# Altium PCB KlusterLab r2.0.PcbDoc (part 1 of 22) (continued)
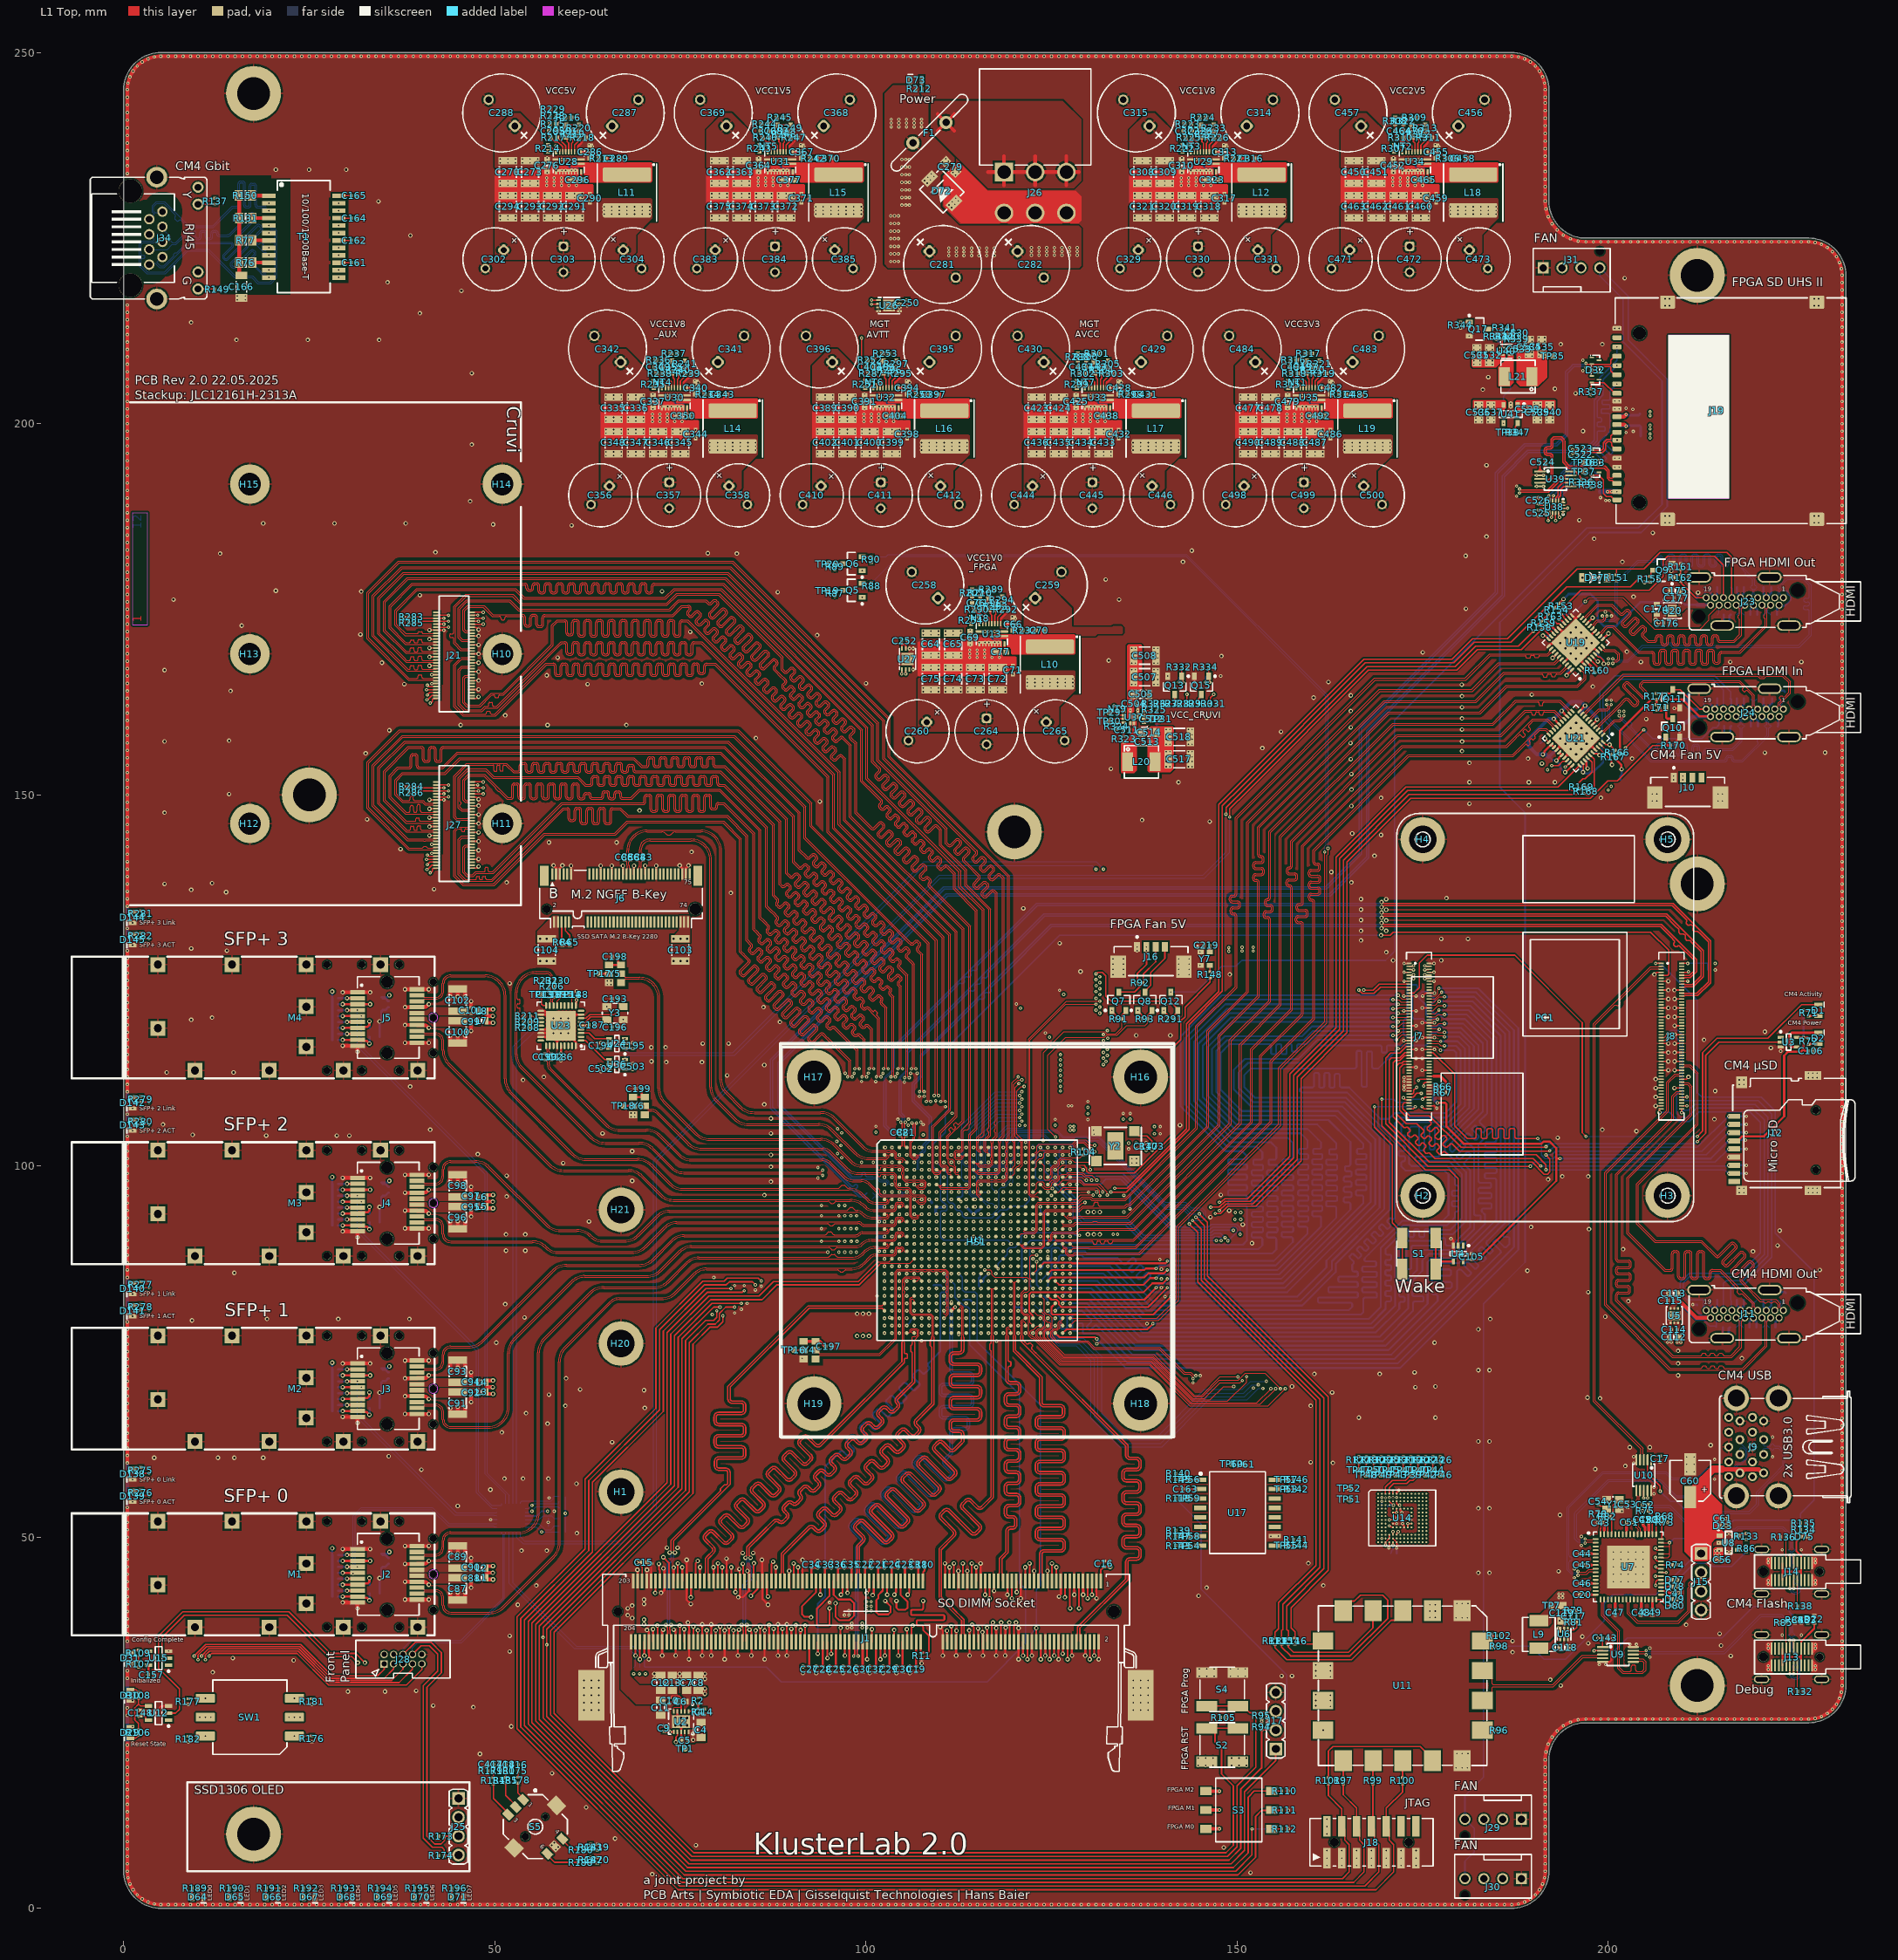
[diagram p0: L1 Top view]
## Classes and differential pairs
pad class GBE-CON-PADS: J34-MT J34-SHD
net class CM4_GBE_ISO: GBE1_MDI0_C_N GBE1_MDI0_C_P GBE1_MDI1_C_N GBE1_MDI1_C_P GBE1_MDI2_C_N GBE1_MDI2_C_P GBE1_MDI3_C_N GBE1_MDI3_C_P NetC166_1 NetR76_1 NetR77_1 NetR131_1 NetR150_1
net class SD_UHS-II: SDCARD.PERX_N SDCARD.PERX_P SDCARD.PETX_N SDCARD.PETX_P SDCARD_PERX_N SDCARD_PERX_P SDCARD_PETX_N SDCARD_PETX_P
component class U_USB-HUB-MUX: C17 C20 C41 C42 C43 C44 C45 C46 C47 C48 C49 C50 C51 C52 C53 C54 C117 C118 C119 C143 D77 D78 D79 D80 L9 R68 R73 R74 R75 R78 R79 R80 R81 R82 TP7 TP23 TP24 TP25 TP26 TP27 TP28 U6 U7 U9 U10 Y1
component class U_PSU_VCC_CRUVI_ADJ_Buck: C504 C505 C506 C507 C508 C509 C510 C511 C512 C513 C514 C515 C516 C517 C518 C519 L20 Q13 Q14 Q15 Q16 R323 R324 R325 R326 R327 R328 R329 R330 R331 R332 R333 R334 R335 TP29 TP30 TP31 U37
component class U_PSU_VCC5V_Buck: C267 C268 C270 C273 C276 C278 C280 C286 C287 C288 C289 C290 C291 C292 C293 C294 C295 C296 C297 C298 C299 C300 C301 C302 C303 C304 L11 R213 R214 R215 R216 R217 R218 R219 R220 U28
component class U_PSU_VCC3V3_Buck: C475 C476 C477 C478 C479 C480 C481 C482 C483 C484 C485 C486 C487 C488 C489 C490 C491 C492 C493 C494 C495 C496 C497 C498 C499 C500 L19 R314 R315 R316 R317 R318 R319 R320 R321 U35
component class U_PSU_VCC2V5_Buck: C448 C449 C450 C451 C452 C453 C454 C455 C456 C457 C458 C459 C460 C461 C462 C463 C464 C465 C466 C467 C468 C469 C470 C471 C472 C473 L18 R306 R307 R308 R309 R310 R311 R312 R313 R322 U34
component class U_PSU_VCC1V8AUX_Buck: C333 C334 C335 C336 C337 C338 C339 C340 C341 C342 C343 C344 C345 C346 C347 C348 C349 C350 C351 C352 C353 C354 C355 C356 C357 C358 L14 R234 R235 R236 R237 R238 R239 R240 R241 U30
component class U_PSU_VCC1V8_Buck: C306 C307 C308 C309 C310 C311 C312 C313 C314 C315 C316 C317 C318 C319 C320 C321 C322 C323 C324 C325 C326 C327 C328 C329 C330 C331 L12 R221 R222 R223 R224 R225 R226 R227 R233 U29
component class U_PSU_VCC1V5_Buck: C360 C361 C362 C363 C364 C365 C366 C367 C368 C369 C370 C371 C372 C373 C374 C375 C376 C377 C378 C379 C380 C381 C382 C383 C384 C385 L15 R242 R243 R244 R245 R246 R247 R248 R249 U31
component class U_PSU_MGTAVTT_Buck: C387 C388 C389 C390 C391 C392 C393 C394 C395 C396 C397 C398 C399 C400 C401 C402 C403 C404 C405 C406 C407 C408 C409 C410 C411 C412 L16 R250 R251 R252 R253 R287 R295 R296 R297 U32
component class U_PSU_MGTAVCC_Buck: C414 C415 C423 C424 C425 C426 C427 C428 C429 C430 C431 C432 C433 C434 C435 C436 C437 C438 C439 C440 C441 C442 C443 C444 C445 C446 L17 R288 R298 R299 R300 R301 R302 R303 R304 R305 U33
component class U_Memory-SD_UHS_II: C524 C525 C526 C527 C528 C529 C530 C531 C532 C533 C534 C535 C536 C537 C538 C539 C540 D32 D33 D34 D82 D83 J19 L21 Q17 R336 R337 R338 R339 R340 R341 R342 R343 R344 R345 R346 R347 R348 TP32 TP33 TP34 TP35 TP36 TP37 TP38 U38 U39 U40 U41
net class µUSB_Flash: USB_CM4Flash_N USB_CM4Flash_P
net class CM4_USB_US: CM4_USB_US_N CM4_USB_US_P
net class CM4_USB_Host: CM4_USB_N CM4_USB_P
net class DDR3_CLK: DDR3_CLK0_N DDR3_CLK0_P DDR3_CLK1_N DDR3_CLK1_P
net class Spare_Pins: CRUVI_A_0_N CRUVI_A_0_P CRUVI_A_1_N CRUVI_A_1_P CRUVI_A_2_N CRUVI_A_2_P CRUVI_A_3_N CRUVI_A_3_P CRUVI_A_4_N CRUVI_A_4_P CRUVI_A_5_N CRUVI_A_5_P CRUVI_A_6_N CRUVI_A_6_P CRUVI_A_7_N CRUVI_A_7_P CRUVI_A_8_N CRUVI_A_8_P CRUVI_A_9_N CRUVI_A_9_P CRUVI_A_10_N CRUVI_A_10_P CRUVI_A_11_N CRUVI_A_11_P CRUVI_A_DI CRUVI_A_DO CRUVI_A_HSI CRUVI_A_HSIO CRUVI_A_HSO CRUVI_A_MODE CRUVI_A_REFCLK CRUVI_A_RESET CRUVI_A_SCK CRUVI_A_SEL CRUVI_A_SMB_ALERT CRUVI_A_SMB_SCL CRUVI_A_SMB_SDA CRUVI_B_0_N CRUVI_B_0_P CRUVI_B_1_N CRUVI_B_1_P CRUVI_B_2_N CRUVI_B_2_P CRUVI_B_3_N CRUVI_B_3_P CRUVI_B_4_N CRUVI_B_4_P CRUVI_B_5_N CRUVI_B_5_P CRUVI_B_6_N CRUVI_B_6_P CRUVI_B_7_N CRUVI_B_7_P CRUVI_B_8_N CRUVI_B_8_P CRUVI_B_9_N CRUVI_B_9_P CRUVI_B_10_N CRUVI_B_10_P CRUVI_B_11_N CRUVI_B_11_P CRUVI_B_DI CRUVI_B_DO CRUVI_B_HSI CRUVI_B_HSIO CRUVI_B_HSO CRUVI_B_MODE CRUVI_B_REFCLK CRUVI_B_RESET CRUVI_B_SCK CRUVI_B_SEL CRUVI_B_SMB_ALERT CRUVI_B_SMB_SCL CRUVI_B_SMB_SDA
component class "U_Cruvi Pinheader": H6 H7 H8 H9 H10 H11 H12 H13 H14 H15 H16 H17 H18 H19 H22 H23 H24 HS1 J21 J27
net class µUSB_US: uUSB_N uUSB_P
net class USB_DS4: DS4_D_N DS4_D_P NetU7_31 NetU7_32
net class USB_DS3: DS3_D_N DS3_D_P NetU7_25 NetU7_26
net class USB_DS2: DS2_D_N DS2_D_P NetU7_12 NetU7_13
net class USB_DS1: DS1_D_N DS1_D_P NetU7_3 NetU7_4
net class SATA: SATA_RX_C_N SATA_RX_C_P SATA_RX_N SATA_RX_P SATA_TX_C_N SATA_TX_C_P SATA_TX_N SATA_TX_P
net class Pi_HDMI: HDMI_CM4_CEC HDMI_CM4_CLOCK_N HDMI_CM4_CLOCK_P HDMI_CM4_DATA0_N HDMI_CM4_DATA0_P HDMI_CM4_DATA1_N HDMI_CM4_DATA1_P HDMI_CM4_DATA2_N HDMI_CM4_DATA2_P HDMI_CM4_HPD HDMI_CM4_SCL HDMI_CM4_SDA
net class PCIe: PCIe_C_TX0_N PCIe_C_TX0_P PCIe_REFCLK_N PCIe_REFCLK_P PCIe_RX0_N PCIe_RX0_P PCIe_TX0_N PCIe_TX0_P
net class NOR-Flash: FLASH.C\S\ FLASH.CLK FLASH.D0 FLASH.D1 FLASH.D2 FLASH.D3 FLASH.R\S\T\ FLASH_C\S\ FLASH_CLK FLASH_D0 FLASH_D1 FLASH_D2 FLASH_D3
net class MGT115_SFP+: MGTX115_RX0_N MGTX115_RX0_P MGTX115_RX1_N MGTX115_RX1_P MGTX115_RX2_N MGTX115_RX2_P MGTX115_RX3_N MGTX115_RX3_P MGTX115_TX0_N MGTX115_TX0_P MGTX115_TX1_N MGTX115_TX1_P MGTX115_TX2_N MGTX115_TX2_P MGTX115_TX3_N MGTX115_TX3_P
net class JTAG_USB: JTAG_USB_D_N JTAG_USB_D_P
net class HDMI_FPGA_TX: HDMI_FPGA_C_TX0_N HDMI_FPGA_C_TX0_P HDMI_FPGA_C_TX1_N HDMI_FPGA_C_TX1_P HDMI_FPGA_C_TX2_N HDMI_FPGA_C_TX2_P HDMI_FPGA_C_TXC_N HDMI_FPGA_C_TXC_P HDMI_FPGA_C_TXSCL HDMI_FPGA_C_TXSDA HDMI_FPGA_LS_TXHPD HDMI_FPGA_TXCEC
net class HDMI_FPGA_RX: HDMI_FPGA_C_RX0_N HDMI_FPGA_C_RX0_P HDMI_FPGA_C_RX1_N HDMI_FPGA_C_RX1_P HDMI_FPGA_C_RX2_N HDMI_FPGA_C_RX2_P HDMI_FPGA_C_RXC_N HDMI_FPGA_C_RXC_P HDMI_FPGA_C_RXCEC HDMI_FPGA_C_RXHPD HDMI_FPGA_C_RXSCL HDMI_FPGA_C_RXSDA
net class FPGA_HDMI_TX: HDMI_FPGA_TX0_N HDMI_FPGA_TX0_P HDMI_FPGA_TX1_N HDMI_FPGA_TX1_P HDMI_FPGA_TX2_N HDMI_FPGA_TX2_P HDMI_FPGA_TXC_N HDMI_FPGA_TXC_P HDMI_FPGA_TXCEC HDMI_FPGA_TXHPD HDMI_FPGA_TXSCL HDMI_FPGA_TXSDA
net class FPGA_HDMI_RX: HDMI_FPGA_RX0_N HDMI_FPGA_RX0_P HDMI_FPGA_RX1_N HDMI_FPGA_RX1_P HDMI_FPGA_RX2_N HDMI_FPGA_RX2_P HDMI_FPGA_RXC_N HDMI_FPGA_RXC_P HDMI_FPGA_RXCEC HDMI_FPGA_RXHPD HDMI_FPGA_RXSCL HDMI_FPGA_RXSDA
net class eMMC: eMMC.CLK eMMC.CMD eMMC.D0 eMMC.D1 eMMC.D2 eMMC.D3 eMMC.D4 eMMC.D5 eMMC.D6 eMMC.D7 eMMC.DS eMMC.R\S\T\ eMMC_CLK eMMC_CMD eMMC_D0 eMMC_D1 eMMC_D2 eMMC_D3 eMMC_D4 eMMC_D5 eMMC_D6 eMMC_D7 eMMC_DS eMMC_R\S\T\
net class Diff100: 150MHz_REFCLK_N 150MHz_REFCLK_P 156.25MHz_REFCLK_N 156.25MHz_REFCLK_P 200MHz_SYSCLK_N 200MHz_SYSCLK_P CM4_GBE_MDI0_N CM4_GBE_MDI0_P CM4_GBE_MDI1_N CM4_GBE_MDI1_P CM4_GBE_MDI2_N CM4_GBE_MDI2_P CM4_GBE_MDI3_N CM4_GBE_MDI3_P CRUVI_A_0_N CRUVI_A_0_P CRUVI_A_1_N CRUVI_A_1_P CRUVI_A_2_N CRUVI_A_2_P CRUVI_A_3_N CRUVI_A_3_P CRUVI_A_4_N CRUVI_A_4_P CRUVI_A_5_N CRUVI_A_5_P CRUVI_A_6_N CRUVI_A_6_P CRUVI_A_7_N CRUVI_A_7_P CRUVI_A_8_N CRUVI_A_8_P CRUVI_A_9_N CRUVI_A_9_P CRUVI_A_10_N CRUVI_A_10_P CRUVI_A_11_N CRUVI_A_11_P CRUVI_B_0_N CRUVI_B_0_P CRUVI_B_1_N CRUVI_B_1_P CRUVI_B_2_N CRUVI_B_2_P CRUVI_B_3_N CRUVI_B_3_P CRUVI_B_4_N CRUVI_B_4_P CRUVI_B_5_N CRUVI_B_5_P CRUVI_B_6_N CRUVI_B_6_P CRUVI_B_7_N CRUVI_B_7_P CRUVI_B_8_N CRUVI_B_8_P CRUVI_B_9_N CRUVI_B_9_P CRUVI_B_10_N CRUVI_B_10_P CRUVI_B_11_N CRUVI_B_11_P GBE1_MDI0_C_N GBE1_MDI0_C_P GBE1_MDI1_C_N GBE1_MDI1_C_P GBE1_MDI2_C_N GBE1_MDI2_C_P GBE1_MDI3_C_N GBE1_MDI3_C_P HDMI_CM4_CLOCK_N HDMI_CM4_CLOCK_P HDMI_CM4_DATA0_N HDMI_CM4_DATA0_P HDMI_CM4_DATA1_N HDMI_CM4_DATA1_P HDMI_CM4_DATA2_N HDMI_CM4_DATA2_P HDMI_FPGA_C_RX0_N HDMI_FPGA_C_RX0_P HDMI_FPGA_C_RX1_N HDMI_FPGA_C_RX1_P HDMI_FPGA_C_RX2_N HDMI_FPGA_C_RX2_P HDMI_FPGA_C_RXC_N HDMI_FPGA_C_RXC_P HDMI_FPGA_C_TX0_N HDMI_FPGA_C_TX0_P HDMI_FPGA_C_TX1_N HDMI_FPGA_C_TX1_P HDMI_FPGA_C_TX2_N HDMI_FPGA_C_TX2_P HDMI_FPGA_C_TXC_N HDMI_FPGA_C_TXC_P HDMI_FPGA_RX0_N HDMI_FPGA_RX0_P HDMI_FPGA_RX1_N HDMI_FPGA_RX1_P HDMI_FPGA_RX2_N HDMI_FPGA_RX2_P HDMI_FPGA_RXC_N HDMI_FPGA_RXC_P HDMI_FPGA_TX0_N HDMI_FPGA_TX0_P HDMI_FPGA_TX1_N HDMI_FPGA_TX1_P HDMI_FPGA_TX2_N HDMI_FPGA_TX2_P HDMI_FPGA_TXC_N HDMI_FPGA_TXC_P MGTX115_RX0_N MGTX115_RX0_P MGTX115_RX1_N MGTX115_RX1_P MGTX115_RX2_N MGTX115_RX2_P MGTX115_RX3_N MGTX115_RX3_P MGTX115_TX0_N MGTX115_TX0_P MGTX115_TX1_N MGTX115_TX1_P MGTX115_TX2_N MGTX115_TX2_P MGTX115_TX3_N MGTX115_TX3_P REC_CLOCK_C_N REC_CLOCK_C_P REC_CLOCK_N REC_CLOCK_P SATA_RX_C_N SATA_RX_C_P SATA_RX_N SATA_RX_P SATA_TX_C_N SATA_TX_C_P SATA_TX_N SATA_TX_P SI5324_OUT_N SI5324_OUT_P SI5324_REFCLK_N SI5324_REFCLK_P
net class Diff90: CM4_USB_N CM4_USB_P CM4_USB_US_N CM4_USB_US_P DS1_D_N DS1_D_P DS2_D_N DS2_D_P DS3_D_N DS3_D_P DS4_D_N DS4_D_P JTAG_USB_D_N JTAG_USB_D_P USB_CM4Flash_N USB_CM4Flash_P uUSB_N uUSB_P
net class Diff85: DAT01/RCLK_N DAT01/RCLK_P PCIe_C_TX0_N PCIe_C_TX0_P PCIe_REFCLK_N PCIe_REFCLK_P PCIe_RX0_N PCIe_RX0_P PCIe_TX0_N PCIe_TX0_P SDCARD.PERX_N SDCARD.PERX_P SDCARD.PETX_N SDCARD.PETX_P SDCARD.RCLK_N SDCARD.RCLK_P SDCARD_PERX_N SDCARD_PERX_P SDCARD_PETX_N SDCARD_PETX_P
net class Diff80: DDR3_CLK0_N DDR3_CLK0_P DDR3_CLK1_N DDR3_CLK1_P DDR3_DQS0_N DDR3_DQS0_P DDR3_DQS1_N DDR3_DQS1_P DDR3_DQS2_N DDR3_DQS2_P DDR3_DQS3_N DDR3_DQS3_P DDR3_DQS4_N DDR3_DQS4_P DDR3_DQS5_N DDR3_DQS5_P DDR3_DQS6_N DDR3_DQS6_P DDR3_DQS7_N DDR3_DQS7_P
net class DDR3_LANE7: DDR3_D56 DDR3_D57 DDR3_D58 DDR3_D59 DDR3_D60 DDR3_D61 DDR3_D62 DDR3_D63 DDR3_DM7 DDR3_DQS7_N DDR3_DQS7_P
net class DDR3_LANE6: DDR3_D48 DDR3_D49 DDR3_D50 DDR3_D51 DDR3_D52 DDR3_D53 DDR3_D54 DDR3_D55 DDR3_DM6 DDR3_DQS6_N DDR3_DQS6_P
net class DDR3_LANE5: DDR3_D40 DDR3_D41 DDR3_D42 DDR3_D43 DDR3_D44 DDR3_D45 DDR3_D46 DDR3_D47 DDR3_DM5 DDR3_DQS5_N DDR3_DQS5_P
net class DDR3_LANE4: DDR3_D32 DDR3_D33 DDR3_D34 DDR3_D35 DDR3_D36 DDR3_D37 DDR3_D38 DDR3_D39 DDR3_DM4 DDR3_DQS4_N DDR3_DQS4_P
net class DDR3_LANE3: DDR3_D24 DDR3_D25 DDR3_D26 DDR3_D27 DDR3_D28 DDR3_D29 DDR3_D30 DDR3_D31 DDR3_DM3 DDR3_DQS3_N DDR3_DQS3_P
net class DDR3_LANE2: DDR3_D16 DDR3_D17 DDR3_D18 DDR3_D19 DDR3_D20 DDR3_D21 DDR3_D22 DDR3_D23 DDR3_DM2 DDR3_DQS2_N DDR3_DQS2_P
net class DDR3_LANE1: DDR3_D8 DDR3_D9 DDR3_D10 DDR3_D11 DDR3_D12 DDR3_D13 DDR3_D14 DDR3_D15 DDR3_DM1 DDR3_DQS1_N DDR3_DQS1_P
net class DDR3_LANE0: DDR3_D0 DDR3_D1 DDR3_D2 DDR3_D3 DDR3_D4 DDR3_D5 DDR3_D6 DDR3_D7 DDR3_DM0 DDR3_DQS0_N DDR3_DQS0_P
net class DDR3_DQS: DDR3_DQS0_N DDR3_DQS0_P DDR3_DQS1_N DDR3_DQS1_P DDR3_DQS2_N DDR3_DQS2_P DDR3_DQS3_N DDR3_DQS3_P DDR3_DQS4_N DDR3_DQS4_P DDR3_DQS5_N DDR3_DQS5_P DDR3_DQS6_N DDR3_DQS6_P DDR3_DQS7_N DDR3_DQS7_P
net class DDR3_ADDR_CMD: DDR3_A0 DDR3_A1 DDR3_A2 DDR3_A3 DDR3_A4 DDR3_A5 DDR3_A6 DDR3_A7 DDR3_A8 DDR3_A9 DDR3_A10 DDR3_A11 DDR3_A12 DDR3_A13 DDR3_A14 DDR3_A15 DDR3_BA0 DDR3_BA1 DDR3_BA2 DDR3_C\A\S\ DDR3_CKE0 DDR3_CKE1 DDR3_ODT0 DDR3_ODT1 DDR3_R\A\S\ DDR3_S\0\ DDR3_S\1\ DDR3_W\E\
net class CM4_µSD: CM4_µSD_CLK CM4_µSD_CMD CM4_µSD_DAT0 CM4_µSD_DAT1 CM4_µSD_DAT2 CM4_µSD_DAT3
net class CM4_GBE: CM4_GBE_MDI0_N CM4_GBE_MDI0_P CM4_GBE_MDI1_N CM4_GBE_MDI1_P CM4_GBE_MDI2_N CM4_GBE_MDI2_P CM4_GBE_MDI3_N CM4_GBE_MDI3_P
net class 40OHM: CM4_GPIO00 CM4_GPIO01 CM4_GPIO02 CM4_GPIO03 CM4_GPIO04 CM4_GPIO05 CM4_GPIO06 CM4_GPIO07 CM4_GPIO08 CM4_GPIO09 CM4_GPIO10 CM4_GPIO11 CM4_GPIO12 CM4_GPIO13 CM4_GPIO14 CM4_GPIO15 CM4_GPIO16 CM4_GPIO17 CM4_GPIO18 CM4_GPIO19 CM4_GPIO20 CM4_GPIO21 CM4_GPIO22 CM4_GPIO23 CM4_GPIO24 CM4_GPIO25 CM4_GPIO26 CM4_GPIO27 DDR3_A0 DDR3_A1 DDR3_A2 DDR3_A3 DDR3_A4 DDR3_A5 DDR3_A6 DDR3_A7 DDR3_A8 DDR3_A9 DDR3_A10 DDR3_A11 DDR3_A12 DDR3_A13 DDR3_A14 DDR3_A15 DDR3_BA0 DDR3_BA1 DDR3_BA2 DDR3_C\A\S\ DDR3_CKE0 DDR3_CKE1 DDR3_D0 DDR3_D1 DDR3_D2 DDR3_D3 DDR3_D4 DDR3_D5 DDR3_D6 DDR3_D7 DDR3_D8 DDR3_D9 DDR3_D10 DDR3_D11 DDR3_D12 DDR3_D13 DDR3_D14 DDR3_D15 DDR3_D16 DDR3_D17 DDR3_D18 DDR3_D19 DDR3_D20 DDR3_D21 DDR3_D22 DDR3_D23 DDR3_D24 DDR3_D25 DDR3_D26 DDR3_D27 DDR3_D28 DDR3_D29 DDR3_D30 DDR3_D31 DDR3_D32 DDR3_D33 DDR3_D34 DDR3_D35 DDR3_D36 DDR3_D37 DDR3_D38 DDR3_D39 DDR3_D40 DDR3_D41 DDR3_D42 DDR3_D43 DDR3_D44 DDR3_D45 DDR3_D46 DDR3_D47 DDR3_D48 DDR3_D49 DDR3_D50 DDR3_D51 DDR3_D52 DDR3_D53 DDR3_D54 DDR3_D55 DDR3_D56 DDR3_D57 DDR3_D58 DDR3_D59 DDR3_D60 DDR3_D61 DDR3_D62 DDR3_D63 DDR3_DM0 DDR3_DM1 DDR3_DM2 DDR3_DM3 DDR3_DM4 DDR3_DM5 DDR3_DM6 DDR3_DM7 DDR3_ODT0 DDR3_ODT1 DDR3_R\A\S\ DDR3_S\0\ DDR3_S\1\ DDR3_W\E\
component class U_PSU_VCC1V0_FPGA_Buck: C62 C63 C64 C65 C66 C67 C68 C69 C70 C71 C72 C73 C74 C75 C76 C77 C107 C108 C109 C110 C111 C120 C121 C122 C123 C124 C125 C126 C127 C128 C129 C130 C131 C132 C133 C134 C135 C136 C137 C138 C139 C140 C141 C142 C144 C145 C146 C149 C150 C151 C152 C153 C213 C258 C259 C260 C264 C265 L10 R207 R210 R232 R254 R289 R290 R292 R293 R294 U13
component class "U_USB Connectors": C55 C56 C60 C61 D22 D23 D24 D25 D26 D27 D28 D74 D75 D76 D81 J9 J13 J14 J15 R83 R84 R85 R86 R132 R133 R134 R135 R136 R138 U8
component class "U_System Clocks": C186 C187 C188 C189 C190 C191 C192 C193 C194 C195 C196 C197 C198 C199 C502 C503 R206 R208 R209 R211 R230 R231 TP13 TP14 TP15 TP16 TP17 TP18 U23 U24 U36 Y3 Y4 Y5 Y6
component class "U_SSD M.2_B-Key": C103 C104 H1 H20 H21 J6 R64 R65
component class "U_SMI Bank 12": Q5 Q6 R87 R88 R89 R90 U1
component class U_SFP+_Connectors: C87 C88 C89 C90 C91 C92 C93 C94 C95 C96 C97 C98 C99 C100 C101 C102 D138 D139 D140 D141 D142 D143 D144 D145 J2 J3 J4 J5 L1 L2 L3 L4 L5 L6 L7 L8 M1 M2 M3 M4 Q1 Q2 Q3 Q4 R20 R21 R22 R23 R24 R25 R26 R27 R28 R29 R30 R31 R32 R33 R34 R35 R36 R37 R38 R39 R40 R41 R42 R43 R44 R45 R46 R47 R48 R49 R50 R51 R52 R53 R54 R55 R56 R57 R58 R59 R60 R61 R62 R63 R275 R276 R277 R278 R279 R280 R281 R282
component class "U_Raspberry Pi CM4": C105 C106 D1 D2 H2 H3 H4 H5 J7 J8 PC1 R66 R67 R69 R70 R71 R72 S1 TP2 TP3 TP4 TP5 TP6 U3 U4
component class "U_Raspberry Pi CM4_Periphery": C112 C113 C114 C115 C116 C161 C162 C164 C165 C166 D3 D4 D5 D6 D7 D8 D9 D10 D11 D12 D13 D14 D15 D16 D17 D18 D19 D20 D21 J10 J11 J12 J34 R76 R77 R131 R137 R149 R150 T1 U5
component class U_Memory-QSPI_Flash-eMMC: C154 C155 C156 C158 C159 C160 C163 R119 R120 R121 R122 R123 R124 R125 R126 R127 R128 R129 R130 R139 R140 R141 R142 R143 R144 R145 R146 R147 TP39 TP40 TP41 TP42 TP43 TP44 TP45 TP46 TP47 TP48 TP49 TP50 TP51 TP52 TP53 TP54 TP55 TP56 TP57 TP58 TP59 TP60 TP61 U14 U17
component class U_Power-Tree: C250 C252 C279 C281 C282 D72 D73 F1 J26 NT1 NT2 NT3 NT4 NT5 NT6 NT7 NT8 NT9 R212 R228 R229 TP19 TP20 U26 U27
component class "U_MGT Banks 115-116": C81 C82 C83 C84 C85 C86 C520 C521 C522 C523 R16 R17 R18 R19
component class "U_I2C Multiplexer": C185 R197 R198 R199 R200 R201 R202 R203 R204 R205 U22
component class U_HMI: C416 C417 C418 C419 C420 D64 D65 D66 D67 D68 D69 D70 D71 J25 J28 R173 R174 R175 R176 R177 R178 R179 R180 R181 R182 R183 R184 R185 R186 R187 R188 R189 R190 R191 R192 R193 R194 R195 R196 S5 SW1
component class "U_FPGA Supply Pins": C200 C201 C202 C203 C204 C205 C206 C207 C208 C209 C210 C211 C212 C214 C215 C216 C217 C218 C220 C221 C222 C223 C224 C225 C226 C227 C228 C229 C230 C231 C232 C233 C234 C235 C236 C237 C238 C239 C240 C241 C242 C243 C244 C245 C246 C247 C248 C249 C251 C253 C254 C255 C256 C257 C261 C262 C263 C269 C271 C272 C274 C275 C277 C421 C422 TP21 TP22
component class U_FPGA_HDMI_IN_OUT: C167 C168 C169 C170 C171 C172 C173 C174 C175 C176 C177 C178 C179 C180 C181 C182 C183 C184 D35 D36 D37 D38 D39 D40 D41 D42 D43 D44 D45 D46 D47 D48 D49 D50 D51 D52 D53 D54 D55 D56 D57 D58 D59 D60 D61 D62 D63 J23 J24 L13 Q9 Q10 Q11 R151 R152 R153 R154 R155 R156 R157 R158 R159 R160 R161 R162 R163 R164 R165 R166 R167 R168 R169 R170 R171 R172 U19 U20 U21
component class "U_DDR3 Memory_SO-DIMM": C15 C16 C18 C19 C21 C22 C23 C24 C25 C26 C27 C28 C29 C30 C31 C32 C33 C34 C35 C36 C37 C38 C39 C40 C57 C58 C59 C78 C79 C80 J1 R10 R11 R12 R13 R14 R15
component class "U_DDR3 Memory_Banks 32-33-34": C1 C2 C3 C4 C5 C6 C7 C8 C9 C10 C11 C12 C13 C14 R1 R2 R3 R4 R5 R6 R7 R8 R9 TP1 U2
component class "U_Bank 13_Bank 15_Bank 16": J16 J29 J30 J31 Q7 Q8 Q12 R91 R92 R93 R283 R284 R285 R286 R291 TP8 TP9 TP10 TP11
component class "U_Bank 0_Bank 14": C147 C148 C157 C219 D29 D30 D31 J17 J18 R94 R95 R96 R97 R98 R99 R100 R101 R102 R103 R104 R105 R106 R107 R108 R109 R110 R111 R112 R113 R114 R115 R116 R117 R118 R148 R274 S2 S3 S4 TP12 U11 U12 U15 Y2 Y7
differential pair DAT01/RCLK: +DAT01/RCLK_P -DAT01/RCLK_N
differential pair SDCARD.RCLK: +SDCARD.RCLK_P -SDCARD.RCLK_N
differential pair GBE1_MDI3_C: +GBE1_MDI3_C_P -GBE1_MDI3_C_N
differential pair GBE1_MDI2_C: +GBE1_MDI2_C_P -GBE1_MDI2_C_N
differential pair GBE1_MDI1_C: +GBE1_MDI1_C_P -GBE1_MDI1_C_N
differential pair GBE1_MDI0_C: +GBE1_MDI0_C_P -GBE1_MDI0_C_N
differential pair SDCARD_PETX: +SDCARD_PETX_P -SDCARD_PETX_N
differential pair SDCARD_PERX: +SDCARD_PERX_P -SDCARD_PERX_N
differential pair SDCARD.PETX: +SDCARD.PETX_P -SDCARD.PETX_N
differential pair SDCARD.PERX: +SDCARD.PERX_P -SDCARD.PERX_N
differential pair 156.25MHz_REFCLK: +156.25MHz_REFCLK_P -156.25MHz_REFCLK_N
differential pair USB_CM4Flash: +USB_CM4Flash_P -USB_CM4Flash_N
differential pair CM4_USB_US: +CM4_USB_US_P -CM4_USB_US_N
differential pair REC_CLOCK_C: +REC_CLOCK_C_P -REC_CLOCK_C_N
differential pair 200MHz_SYSCLK: +200MHz_SYSCLK_P -200MHz_SYSCLK_N
differential pair REC_CLOCK: +REC_CLOCK_P -REC_CLOCK_N
differential pair SI5324_OUT: +SI5324_OUT_P -SI5324_OUT_N
differential pair CRUVI_B_11: +CRUVI_B_11_P -CRUVI_B_11_N
differential pair CRUVI_B_10: +CRUVI_B_10_P -CRUVI_B_10_N
differential pair CRUVI_B_9: +CRUVI_B_9_P -CRUVI_B_9_N
differential pair CRUVI_B_8: +CRUVI_B_8_P -CRUVI_B_8_N
differential pair CRUVI_B_7: +CRUVI_B_7_P -CRUVI_B_7_N
differential pair CRUVI_B_6: +CRUVI_B_6_P -CRUVI_B_6_N
differential pair CRUVI_B_5: +CRUVI_B_5_P -CRUVI_B_5_N
differential pair CRUVI_B_4: +CRUVI_B_4_P -CRUVI_B_4_N
differential pair CRUVI_B_3: +CRUVI_B_3_P -CRUVI_B_3_N
differential pair CRUVI_B_2: +CRUVI_B_2_P -CRUVI_B_2_N
differential pair CRUVI_B_1: +CRUVI_B_1_P -CRUVI_B_1_N
differential pair CRUVI_B_0: +CRUVI_B_0_P -CRUVI_B_0_N
differential pair CRUVI_A_11: +CRUVI_A_11_P -CRUVI_A_11_N
differential pair CRUVI_A_10: +CRUVI_A_10_P -CRUVI_A_10_N
differential pair CRUVI_A_9: +CRUVI_A_9_P -CRUVI_A_9_N
differential pair CRUVI_A_8: +CRUVI_A_8_P -CRUVI_A_8_N
differential pair CRUVI_A_7: +CRUVI_A_7_P -CRUVI_A_7_N
differential pair CRUVI_A_6: +CRUVI_A_6_P -CRUVI_A_6_N
differential pair CRUVI_A_5: +CRUVI_A_5_P -CRUVI_A_5_N
differential pair CRUVI_A_4: +CRUVI_A_4_P -CRUVI_A_4_N
differential pair CRUVI_A_3: +CRUVI_A_3_P -CRUVI_A_3_N
differential pair CRUVI_A_2: +CRUVI_A_2_P -CRUVI_A_2_N
differential pair CRUVI_A_1: +CRUVI_A_1_P -CRUVI_A_1_N
differential pair CRUVI_A_0: +CRUVI_A_0_P -CRUVI_A_0_N
differential pair uUSB: +uUSB_P -uUSB_N
differential pair SI5324_REFCLK: +SI5324_REFCLK_P -SI5324_REFCLK_N
differential pair SATA_TX: +SATA_TX_P -SATA_TX_N
differential pair SATA_TX_C: +SATA_TX_C_P -SATA_TX_C_N
differential pair SATA_RX: +SATA_RX_P -SATA_RX_N
differential pair SATA_RX_C: +SATA_RX_C_P -SATA_RX_C_N
differential pair PCIe_TX0: +PCIe_TX0_P -PCIe_TX0_N
differential pair PCIe_RX0: +PCIe_RX0_P -PCIe_RX0_N
differential pair PCIe_REFCLK: +PCIe_REFCLK_P -PCIe_REFCLK_N
differential pair PCIe_C_TX0: +PCIe_C_TX0_P -PCIe_C_TX0_N
differential pair MGTX115_TX3: +MGTX115_TX3_P -MGTX115_TX3_N
differential pair MGTX115_TX2: +MGTX115_TX2_P -MGTX115_TX2_N
differential pair MGTX115_TX1: +MGTX115_TX1_P -MGTX115_TX1_N
differential pair MGTX115_TX0: +MGTX115_TX0_P -MGTX115_TX0_N
differential pair MGTX115_RX3: +MGTX115_RX3_P -MGTX115_RX3_N
differential pair MGTX115_RX2: +MGTX115_RX2_P -MGTX115_RX2_N
differential pair MGTX115_RX1: +MGTX115_RX1_P -MGTX115_RX1_N
differential pair MGTX115_RX0: +MGTX115_RX0_P -MGTX115_RX0_N
differential pair JTAG_USB_D: +JTAG_USB_D_P -JTAG_USB_D_N
differential pair HDMI_FPGA_TXC: +HDMI_FPGA_TXC_P -HDMI_FPGA_TXC_N
differential pair HDMI_FPGA_TX2: +HDMI_FPGA_TX2_P -HDMI_FPGA_TX2_N
differential pair HDMI_FPGA_TX1: +HDMI_FPGA_TX1_P -HDMI_FPGA_TX1_N
differential pair HDMI_FPGA_TX0: +HDMI_FPGA_TX0_P -HDMI_FPGA_TX0_N
differential pair HDMI_FPGA_RXC: +HDMI_FPGA_RXC_P -HDMI_FPGA_RXC_N
differential pair HDMI_FPGA_RX2: +HDMI_FPGA_RX2_P -HDMI_FPGA_RX2_N
differential pair HDMI_FPGA_RX1: +HDMI_FPGA_RX1_P -HDMI_FPGA_RX1_N
differential pair HDMI_FPGA_RX0: +HDMI_FPGA_RX0_P -HDMI_FPGA_RX0_N
differential pair HDMI_FPGA_C_TXC: +HDMI_FPGA_C_TXC_P -HDMI_FPGA_C_TXC_N
differential pair HDMI_FPGA_C_TX2: +HDMI_FPGA_C_TX2_P -HDMI_FPGA_C_TX2_N
differential pair HDMI_FPGA_C_TX1: +HDMI_FPGA_C_TX1_P -HDMI_FPGA_C_TX1_N
differential pair HDMI_FPGA_C_TX0: +HDMI_FPGA_C_TX0_P -HDMI_FPGA_C_TX0_N
differential pair HDMI_FPGA_C_RXC: +HDMI_FPGA_C_RXC_P -HDMI_FPGA_C_RXC_N
differential pair HDMI_FPGA_C_RX2: +HDMI_FPGA_C_RX2_P -HDMI_FPGA_C_RX2_N
differential pair HDMI_FPGA_C_RX1: +HDMI_FPGA_C_RX1_P -HDMI_FPGA_C_RX1_N
differential pair HDMI_FPGA_C_RX0: +HDMI_FPGA_C_RX0_P -HDMI_FPGA_C_RX0_N
differential pair HDMI_CM4_DATA2: +HDMI_CM4_DATA2_P -HDMI_CM4_DATA2_N
differential pair HDMI_CM4_DATA1: +HDMI_CM4_DATA1_P -HDMI_CM4_DATA1_N
differential pair HDMI_CM4_DATA0: +HDMI_CM4_DATA0_P -HDMI_CM4_DATA0_N
differential pair HDMI_CM4_CLOCK: +HDMI_CM4_CLOCK_P -HDMI_CM4_CLOCK_N
differential pair DS4_D: +DS4_D_P -DS4_D_N
differential pair DS3_D: +DS3_D_P -DS3_D_N
differential pair DS2_D: +DS2_D_P -DS2_D_N
differential pair DS1_D: +DS1_D_P -DS1_D_N
differential pair DDR3_DQS7: +DDR3_DQS7_P -DDR3_DQS7_N
differential pair DDR3_DQS6: +DDR3_DQS6_P -DDR3_DQS6_N
differential pair DDR3_DQS5: +DDR3_DQS5_P -DDR3_DQS5_N
differential pair DDR3_DQS4: +DDR3_DQS4_P -DDR3_DQS4_N
differential pair DDR3_DQS3: +DDR3_DQS3_P -DDR3_DQS3_N
differential pair DDR3_DQS2: +DDR3_DQS2_P -DDR3_DQS2_N
differential pair DDR3_DQS1: +DDR3_DQS1_P -DDR3_DQS1_N
differential pair DDR3_DQS0: +DDR3_DQS0_P -DDR3_DQS0_N
differential pair DDR3_CLK1: +DDR3_CLK1_P -DDR3_CLK1_N
differential pair DDR3_CLK0: +DDR3_CLK0_P -DDR3_CLK0_N
differential pair CM4_USB: +CM4_USB_P -CM4_USB_N
differential pair CM4_GBE_MDI3: +CM4_GBE_MDI3_P -CM4_GBE_MDI3_N
differential pair CM4_GBE_MDI2: +CM4_GBE_MDI2_P -CM4_GBE_MDI2_N
differential pair CM4_GBE_MDI1: +CM4_GBE_MDI1_P -CM4_GBE_MDI1_N
differential pair CM4_GBE_MDI0: +CM4_GBE_MDI0_P -CM4_GBE_MDI0_N
differential pair 150MHz_REFCLK: +150MHz_REFCLK_P -150MHz_REFCLK_N

## Components (designator, comment, footprint, x,y, rotation, side; value= is the part's Value field where it differs from the comment)
C1 "10nF 50V" CAP_0402_L 112.5,78 r270 bottom
C2 "10nF 50V" CAP_0402_L 106,85 r45 bottom
C3 "10nF 50V" CAP_0402_L 120,83.5 r0 bottom
C4 "10µF 35V" CAP_0805 77.8,24.05 r0 top
C5 "100nF 50V" CAP_0402_L 75.6,22.65 r0 top
C6 "100nF 100V" CAP_0603_L 75.1,27.85 r90 top
C7 "10µF 35V" CAP_0805 75.85,30.35 r0 top
C8 "10µF 35V" CAP_0805 77.4,30.35 r0 top
C9 "100nF 50V" CAP_0402_L 72.8,24.25 r90 top
C10 "100nF 50V" CAP_0402_L 73.525,27.95 r270 top
C11 "10µF 35V" CAP_0805 72.35,27.05 r180 top
C12 "10µF 35V" CAP_0805 72.35,30.35 r0 top
C13 "10µF 35V" CAP_0805 73.9,30.35 r0 top
C14 "10nF 50V" CAP_0402_L 78.2,26.45 r270 top
C15 "100nF 50V" CAP_0402_L 70.1,46.6 r180 top
C16 "10nF 50V" CAP_0402_L 132.1,46.4 r90 top
C17 "100nF 50V" CAP_0402_L 206.986,60.55 r270 top
C18 "100nF 50V" CAP_0402_L 107.1,46.3 r90 top
C19 "100nF 50V" CAP_0402_L 106.8,32.2 r270 top
C20 "100nF 50V" CAP_0402_L 196.55,42.25 r180 top
C21 "100nF 50V" CAP_0402_L 101.7,46.3 r90 top
C22 "100nF 50V" CAP_0402_L 99.9,46.3 r90 top
C23 "100nF 50V" CAP_0402_L 105.2,46.3 r90 top
C24 "100nF 50V" CAP_0402_L 103.5,46.3 r90 top
C25 "100nF 50V" CAP_0402_L 96,32.2 r270 top
C26 "100nF 50V" CAP_0402_L 97.8,32.2 r270 top
C27 "100nF 50V" CAP_0402_L 92.4,32.2 r270 top
C28 "100nF 50V" CAP_0402_L 94.2,32.2 r270 top
C29 "100nF 50V" CAP_0402_L 103.1,32.2 r270 top
C30 "100nF 50V" CAP_0402_L 105,32.2 r270 top
C31 "100nF 50V" CAP_0402_L 99.6,32.2 r270 top
C32 "100nF 50V" CAP_0402_L 101.3,32.2 r270 top
C33 "100nF 50V" CAP_0402_L 94.5,46.3 r90 top
C34 "100nF 50V" CAP_0402_L 92.7,46.3 r90 top
C35 "100nF 50V" CAP_0402_L 98,46.3 r90 top
C36 "100nF 50V" CAP_0402_L 96.2,46.3 r90 top
C37 "10µF 35V" CAP_0805 98.8,38.1 r270 bottom
C38 "100µF 6.3V" CAP_1210 98.9,40.4 r270 bottom
C39 "1µF 35V" CAP_0402_L 65.4,38 r90 bottom
C40 "1µF 35V" CAP_0402_L 65.4,41.9 r90 bottom
C41 "100nF 50V" CAP_0402_L 209.05,42.5 r0 top
C42 "100nF 50V" CAP_0402_L 204.65,52.35 r90 top
C43 "100nF 50V" CAP_0402_L 199,51.95 r180 top
C44 "100nF 50V" CAP_0402_L 196.55,47.75 r180 top
C45 "100nF 50V" CAP_0402_L 196.55,46.25 r180 top
C46 "100nF 50V" CAP_0402_L 196.55,43.75 r180 top
C47 "100nF 50V" CAP_0402_L 200.95,39.85 r270 top
C48 "100nF 50V" CAP_0402_L 204.45,39.85 r270 top
C49 "100nF 50V" CAP_0402_L 205.95,39.85 r270 top
C50 "100nF 50V" CAP_0402_L 205.45,52.35 r90 top
C51 "100nF 50V" CAP_0402_L 202.85,52 r0 top
C52 "1µF 16V" CAP_0402_L 205,54.35 r180 top
C53 "12pF 50V" CAP_0402_L 202.6,54.4 r90 top
C54 "12pF 50V" CAP_0402_L 198.65,54.8 r270 top
C55 "1µF 35V" CAP_0402_L 226.01,38.818 r270 top
C56 "100nF 50V" CAP_0402_L 215.4,46.95 r0 top
C57 "100nF 50V" CAP_0402_L 67,38 r90 bottom
C58 "100nF 50V" CAP_0402_L 66.2,38 r90 bottom
C59 "10µF 35V" CAP_0805 68.2,38.3 r180 bottom
C60 "100µF 10V" WCAP-ASLI_D5H5.5 211.05,57.6 r270 top
C61 "100nF 50V" CAP_0402_L 215.45,52.5 r0 top
C62 "22µF 25V" CAP_1210 108.75,170.3 r0 bottom
C63 "22µF 25V" CAP_1210 111.75,170.3 r0 bottom
C64 "22µF 25V" CAP_1210 108.75,170.3 r180 top
C65 "22µF 25V" CAP_1210 111.75,170.3 r180 top
C66 "1µF 50V" CAP_0603 119.85,173 r0 top
C67 "1µF 50V" CAP_0603 117.6,171.2 r0 bottom
C68 "1µF 50V" CAP_0603 116.25,171.2 r0 bottom
C69 "1µF 50V" CAP_0603 114.05,171.2 r180 top
C70 "100nF 50V" CAP_0402 123.4,172.15 r270 top
C71 "100nF 50V" CAP_0402 119.8,166.8 r0 top
C72 "47µF 10V" CAP_1210 117.75,165.65 r0 top
C73 "47µF 10V" CAP_1210 114.75,165.65 r0 top
C74 "47µF 10V" CAP_1210 111.75,165.65 r0 top
C75 "47µF 10V" CAP_1210 108.75,165.65 r0 top
C76 "OPT" CAP_0402 114.85,175.85 r270 top
C77 "2.2µF 16V" CAP_0603 118.15,169.25 r90 top
C78 "100nF 50V" CAP_0402_L 67,41.9 r90 bottom
C79 "100nF 50V" CAP_0402_L 66.2,41.9 r90 bottom
C80 "10µF 35V" CAP_0805 68.2,41.6 r180 bottom
C81 "100nF 50V" CAP_0402_L 105.4,104.5 r90 top
C82 "100nF 50V" CAP_0402_L 104.6,104.505 r90 top
C83 "10nF 50V" CAP_0402_L 70,141.6 r270 top
C84 "10nF 50V" CAP_0402_L 69.2,141.6 r270 top
C85 "10nF 50V" CAP_0402_L 67.5,141.6 r270 top
C86 "10nF 50V" CAP_0402_L 68.3,141.6 r270 top
C87 "22µF 25V" CAP_1210 45,43.05 r180 top
C88 "100nF 50V" CAP_0402_L 46.8,44.45 r270 top
C89 "22µF 25V" CAP_1210 45,47.35 r0 top
C90 "100nF 50V" CAP_0402_L 46.8,45.95 r90 top
C91 "22µF 25V" CAP_1210 45,68.05 r180 top
C92 "100nF 50V" CAP_0402_L 46.8,69.45 r270 top
C93 "22µF 25V" CAP_1210 45,72.35 r0 top
C94 "100nF 50V" CAP_0402_L 46.8,70.945 r90 top
C95 "100nF 50V" CAP_0402_L 46.8,94.45 r270 top
C96 "22µF 25V" CAP_1210 45,93.05 r180 top
C97 "100nF 50V" CAP_0402_L 46.8,95.95 r90 top
C98 "22µF 25V" CAP_1210 45,97.35 r0 top
C99 "100nF 50V" CAP_0402_L 46.8,119.45 r270 top
C100 "22µF 25V" CAP_1210 45,118.05 r180 top
C101 "100nF 50V" CAP_0402_L 46.8,120.95 r90 top
C102 "22µF 25V" CAP_1210 45,122.35 r0 top
C103 "22µF 25V" CAP_1210 75,129.1 r0 top
C104 "22µF 25V" CAP_1210 57,129.1 r0 top
C105 "100nF 50V" CAP_0402_L 181.6,87.8 r270 top
C106 "100nF 50V" CAP_0402_L 227.3,115.5 r180 top
C107 "47µF 10V" CAP_1210 117.75,165.65 r180 bottom
C108 "47µF 10V" CAP_1210 114.75,165.65 r180 bottom
C109 "47µF 10V" CAP_1210 111.75,165.65 r180 bottom
C110 "47µF 10V" CAP_1210 108.75,165.65 r180 bottom
C111 "220nF 50V" CAP_0603 116.535,175.825 r0 top
C112 "10µF 6.3V" CAP_0603_L 208.877,76.954 r270 top
C113 "10µF 6.3V" CAP_0603_L 208.777,82.854 r90 top
C114 "100nF 50V" CAP_0402_L 208.877,77.954 r0 top
C115 "100nF 50V" CAP_0402_L 208.377,81.854 r180 top
C116 "100nF 50V" CAP_0402_L 217.4,103.6 r0 bottom
C117 "12pF 50V" CAP_0402_L 195.35,39.35 r180 top
C118 "10µF 6.3V" CAP_0603_L 194.15,35.15 r270 top
C119 "22µF 16V" CAP_0805 193.75,39.75 r180 top
C120 "10µF 6.3V" CAP_0402_L 96.75,91.55 r180 bottom
C121 "10µF 6.3V" CAP_0402_L 96.75,93.3 r180 bottom
C122 "10µF 6.3V" CAP_0402_L 96.75,94.7 r180 bottom
C123 "10µF 6.3V" CAP_0402_L 96.75,89.85 r180 bottom
C124 "10µF 6.3V" CAP_0402_L 125.5,105.9 r90 bottom
C125 "10µF 6.3V" CAP_0402_L 129.9,106.65 r270 bottom
C126 "10µF 6.3V" CAP_0402_L 134.65,106.7 r90 bottom
C127 "10µF 6.3V" CAP_0402_L 139.25,104.35 r0 bottom
C128 "1µF 16V" CAP_0402_L 116.543,86.061 r270 bottom
C129 "1µF 16V" CAP_0402_L 115.5,93.9 r90 bottom
C130 "1µF 16V" CAP_0402_L 96.75,88.4 r180 bottom
C131 "1µF 16V" CAP_0402_L 110.485,93.979 r270 bottom
C132 "1µF 16V" CAP_0402_L 115.99,89.491 r0 bottom
C133 "1µF 16V" CAP_0402_L 109.137,94.807 r135 bottom
C134 "1µF 16V" CAP_0402_L 129.9,108.3 r90 bottom
C135 "1µF 16V" CAP_0402_L 135.6,106.7 r90 bottom
C136 "4.7µF 6.3V" CAP_0402_L 96.45,104.75 r135 bottom
C137 "4.7µF 6.3V" CAP_0402_L 96.35,103.05 r135 bottom
C138 "4.7µF 6.3V" CAP_0402_L 96.45,101.4 r135 bottom
C139 "4.7µF 6.3V" CAP_0402_L 101.35,104.95 r90 bottom
C140 "4.7µF 6.3V" CAP_0402_L 135.4,102.7 r270 bottom